# KiCad board fpgaboard.kicad_pcb (continued)
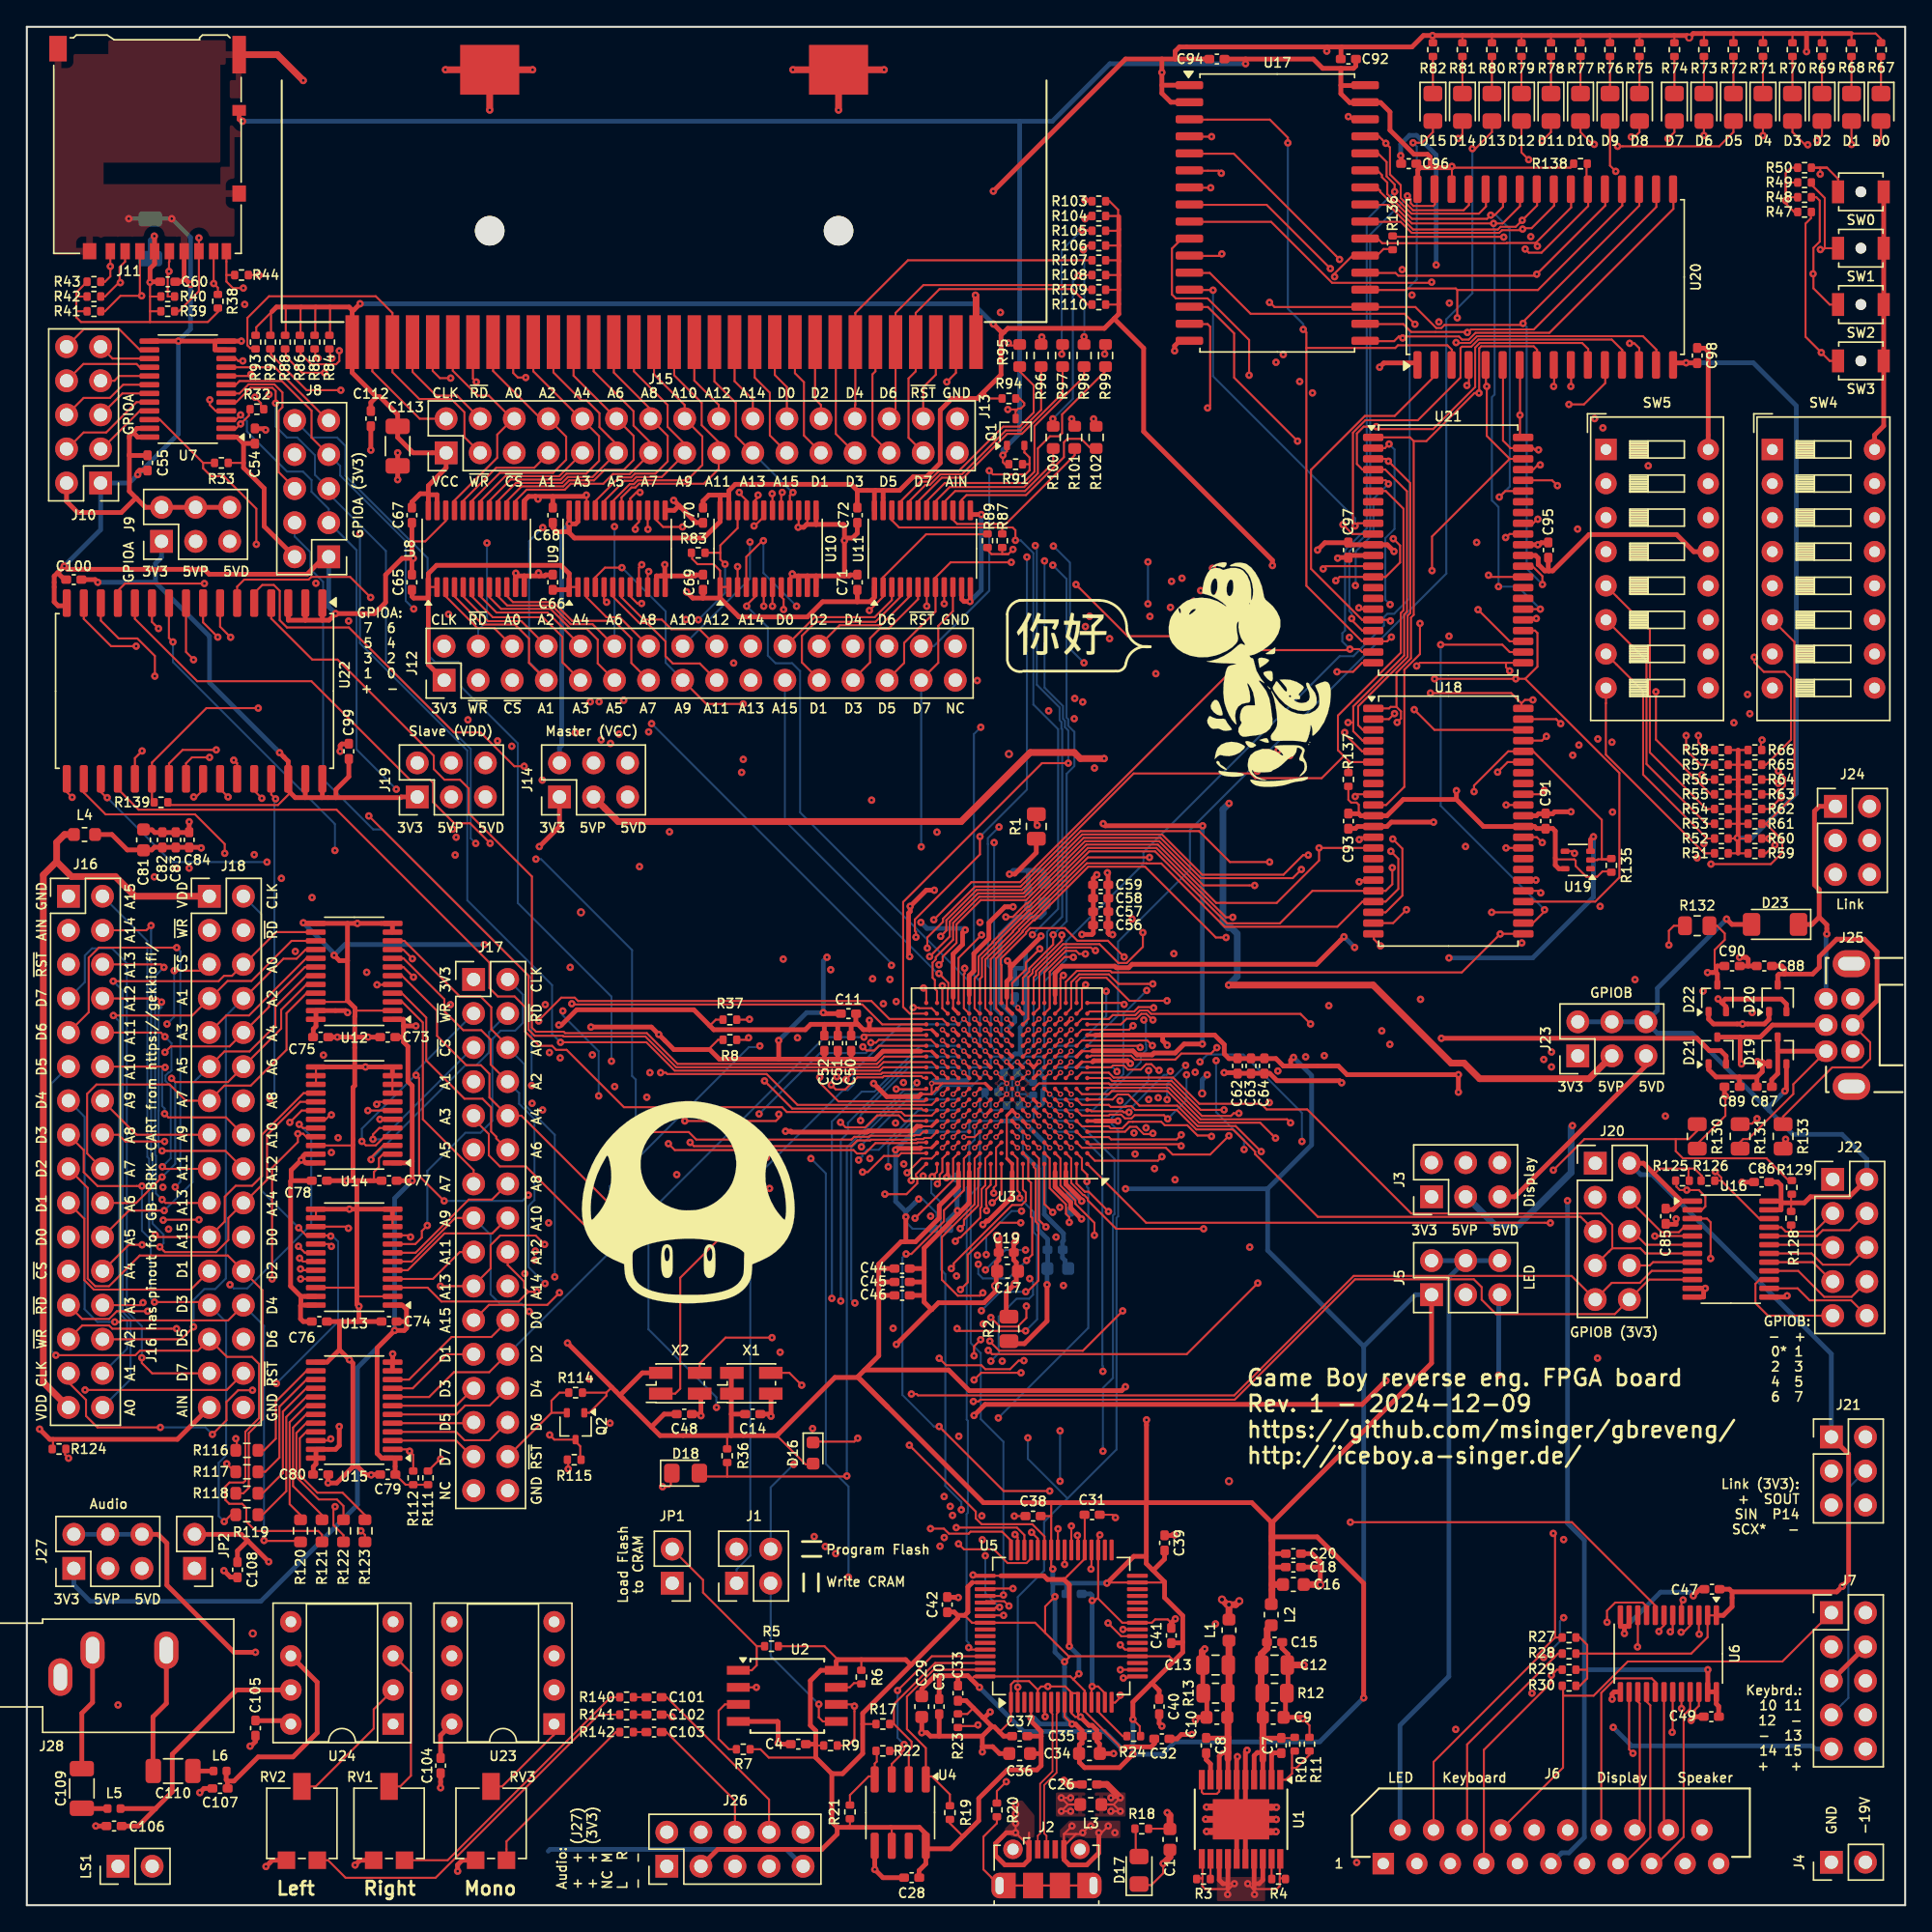
[diagram p0: board, top side]
## Routing (per net, layer and track width the routed paths; a pad name or vN(x,y) marks a point on that pad's centre or on a via; arc(x,y) is an arc through that point) (continued)
  Bottom w0.15: v1(76.49,72.33) 77.5,73.34 77.5,84.33 78.08,84.9 78.08,87.45 77.62,87.91 77.62,88.39 77.49,88.51 77.49,98.85 v1(76.47,99.88) ; v1(43.8,102.75) J12.12
/MA7: length 171.5
  Top w0.15: U3.L9 v3(72.24,63.65) ; J12.13 45.06,92.58 45.06,94.43 43.76,95.73 40.64,95.73 39.24,97.12 36.23,97.12 35.78,97.58 35.78,98.25 ; 110.52,107.8 108.82,109.51 v1(108.82,113.2) 108.75,113.26 108.75,114.95 ; 110.52,107.8 104.74,102.01 v1(104.74,99.47) ; 110.52,107.8 111.4,107.8 ; v1(103.41,89.11) 104.92,87.6 111.4,87.6 ; 87.05,130.55 89.96,130.55 v1(97.84,122.66)
  In1.Cu w0.15: v1(76.16,89.02) 76.16,84.06 v1(72.46,80.36) ; v1(53.28,84.43) 53.21,84.43 J12.13 ; v1(104.74,99.47) 104.74,92.5 103.41,91.17 v1(103.41,89.11)
  In2.Cu w0.15: v1(103.41,89.11) 103.13,89.39 79.66,89.39 79.49,89.21 76.74,89.21 76.55,89.02 v1(76.16,89.02) ; v1(72.46,80.36) 68.39,84.43 v1(53.28,84.43) ; v1(108.82,113.2) 108.82,117.27 106.16,119.92 105.07,119.92 103.23,121.76 103.23,121.84 102.4,122.66 v1(97.84,122.66)
  Bottom w0.15: v1(72.46,80.36) 71.63,79.53 71.63,79.09 71.64,79.08 71.64,70 71.84,69.8 71.84,64.05 v3(72.24,63.65)
/MA8: length 175.4
  Top w0.15: U3.T6 75.04,69.15 75.22,69.33 75.22,69.61 77.23,71.63 79.95,71.63 81.35,70.23 81.98,70.23 83.18,71.43 v1(83.18,72.49) ; 110.03,127.65 110.03,126.59 109.4,125.96 v1(109.11,125.96) 108.84,125.69 103.24,125.69 101.4,127.53 101.4,128.4 101,128.8 101,128.95 100.68,129.28 99.75,129.28 ; v1(109.63,84.45) 110.37,85.2 111.4,85.2 ; 41.72,98.25 41.72,97.48 43.2,96 44.18,96 J12.14 ; v1(109.75,104.95) 110.19,105.4 111.4,105.4
  In1.Cu w0.15: v1(49.12,95.82) 48.32,95.82 J12.14 ; v1(83.18,72.49) 83.18,72.88 83.22,72.92 83.22,79 83.23,79 83.23,94.72 v1(85.24,96.73) ; v1(109.63,84.45) 109.19,84.88 109.19,98.53 109.75,99.08 v1(109.75,104.95)
  In2.Cu w0.15: v1(49.12,95.82) 50.81,97.51 63.43,97.51 63.66,97.74 70.41,97.74 71.43,96.72 78.92,96.72 79.14,96.94 82.97,96.94 83.38,96.54 84.66,96.54 84.85,96.73 v1(85.24,96.73) 85.63,96.73 85.68,96.67 88.54,96.67 96.82,104.95 v1(109.75,104.95)
  Bottom w0.15: v1(109.75,104.95) 110.53,105.73 110.53,124.94 109.5,125.96 v1(109.11,125.96)
/MA9: length 181.3
  Top w0.15: 99.75,128 100.65,128 100.87,127.79 100.87,127.71 103.23,125.35 v1(109.32,125.35) 110,125.35 111.29,126.64 111.29,127.65 ; v1(44.35,99.69) 43.09,99.69 42.38,98.98 42.38,98.25 ; U3.P8 v3(73.04,66.05) ; v1(53.4,89.53) 50.65,89.53 J12.15 ; 111.4,96.6 v1(112.81,96.6) ; 111.4,76.4 v1(112.48,76.4)
  In1.Cu w0.15: v1(112.48,76.4) 112.19,76.69 112.19,88.76 112.96,89.53 112.96,96.45 v1(112.81,96.6) ; v3(73.04,66.05) 73.04,66.34 72.89,66.49 72.89,69.1 70.5,71.49 70.5,74 68.3,76.2 66.73,76.2 v1(53.4,89.53)
  In2.Cu w0.15: v1(53.4,89.53) 53.76,89.17 62.6,89.17 62.68,89.26 70.88,89.26 72.02,90.4 79.37,90.4 79.55,90.22 102.79,90.22 108.62,96.04 108.62,97.2 v1(109.69,98.28)
  Bottom w0.15: v1(109.32,125.35) 109.32,124.96 109.4,124.88 109.4,112.6 109.2,112.4 109.2,104.7 109.69,104.21 v1(109.69,98.28) 111.13,98.28 v1(112.81,96.6) ; v1(44.35,99.69) 47.61,96.43 47.61,92.6 48.88,91.34 J12.15
/MA10: length 196.4
  Top w0.15: 111.4,75.6 112.69,75.6 v1(112.84,75.45) ; U3.T5 75.84,69.52 77.44,71.13 78.21,71.13 78.44,70.9 v1(78.9,70.9) ; v1(112.51,95.9) 112.41,95.8 111.4,95.8 ; 112.46,123.89 110.31,123.89 110.29,123.87 101.02,123.87 100.7,124.19 99.75,124.19 ; 112.46,123.89 115.1,126.54 115.1,127.65 ; 112.46,123.89 112.46,123.78 v1(112.59,123.65) ; v1(43.21,97.11) 43.03,97.3 43.03,98.25
  In1.Cu w0.15: v1(78.79,92.6) 79.15,92.24 79.15,89.46 79.1,89.41 79.1,77.18 79.15,77.13 79.15,71.28 78.9,71.03 v1(78.9,70.9) ; v1(112.59,123.65) 111.97,123.03 111.97,109.26 111.72,109 111.72,96.69 v1(112.51,95.9) 112.71,95.7 112.71,89.64 111.93,88.86 111.93,75.96 112.17,75.72 112.57,75.72 v1(112.84,75.45)
  In2.Cu w0.15: v1(112.59,123.65) 112.32,123.38 112.32,123.32 111.98,122.99 111.46,122.99 111.28,123.17 97.71,123.17 76.95,102.41 76.95,101.73 v1(76.51,101.3) 76.24,101.02 75.93,101.02 74.49,99.59 73.16,99.59 71.54,101.21 54.29,101.21 v1(53.9,101.6) ; J12.16 48.03,94.69 47.63,94.69 46.66,95.66 44.67,95.66 v1(43.21,97.11)
  Bottom w0.15: v1(78.79,92.6) 77.74,93.65 77.74,100.07 v1(76.51,101.3) ; v1(53.9,101.6) 53.9,98.87 48.88,93.85 J12.16
/MA11: length 184.5
  Top w0.15: 99.75,126.73 101.49,126.73 103.33,124.9 109.64,124.9 109.84,125.1 110.97,125.1 v1(111.45,125.58) 112.56,126.69 112.56,127.65 ; 111.68,91.4 112.59,92.31 112.59,94.82 112.41,95 111.4,95 ; 111.68,91.4 118.7,84.39 118.7,76.6 116.9,74.8 111.4,74.8 ; 111.68,91.4 v1(110.98,91.4) v1(104.92,91.4) ; 43.67,98.25 43.67,97.54 45.65,95.57 46.22,95.57 47.6,94.19 47.6,93.09 48.15,92.55 50.16,92.55 51.41,91.3 J12.17 ; U3.M8 v3(73.04,64.45)
  In1.Cu w0.15: v1(111.45,125.58) 110.59,124.71 110.59,110.77 110.92,110.43 110.92,94.47 110.98,94.42 v1(110.98,91.4) ; v1(72.1,79.2) 76.6,83.7 76.6,88.44 v1(78.1,89.94)
  In2.Cu w0.15: v1(104.92,91.4) 103.48,89.96 79.44,89.96 79.26,90.14 78.3,90.14 v1(78.1,89.94) 71.93,89.94 70.99,89.01 62.79,89.01 62.7,88.92 52.6,88.92 51.42,90.1 J12.17
  Bottom w0.15: v3(73.04,64.45) 72.64,64.85 72.64,66.24 72.1,66.79 v1(72.1,79.2)
/MA12: length 194.6
  Top w0.15: 111.4,94.2 110.52,94.2 v1(108.16,96.56) ; v3(75.44,66.05) U3.P6 ; J12.18 51.39,93.84 50.13,95.1 48.04,95.1 47.32,95.82 45.97,95.82 44.33,97.47 44.33,98.25 ; 107.49,114.95 107.49,113.42 v1(107.33,113.27) ; 87.05,131.81 v1(88.3,131.81) ; 111.4,74 v1(109.18,74)
  In1.Cu w0.15: v1(88.3,131.81) 93.65,126.47 v1(93.65,115.57) ; v1(109.18,74) 108.33,74.85 108.33,96.39 v1(108.16,96.56) 107.49,97.24 107.49,113.12 v1(107.33,113.27) ; J12.18 52.2,93.84 53.47,92.57 54.16,92.57 55.2,91.52 55.2,89.47 67.88,76.79 68.58,76.79 69.41,75.96 69.47,75.96 71.97,73.47 71.97,73.17 72.54,72.6 72.54,71.94 73.79,70.69 73.79,70.39 75.44,68.74 v3(75.44,66.05)
  In2.Cu w0.15: v1(108.16,96.56) 108.16,95.94 102.69,90.47 79.65,90.47 79.47,90.65 71.92,90.65 70.78,89.51 62.58,89.51 62.49,89.42 54.14,89.42 52.69,90.88 52.69,91.78 51.42,93.05 J12.18 ; v1(93.65,115.57) 95.4,113.81 106.79,113.81 v1(107.33,113.27)
/MA13: length 129.5
  Top w0.15: U3.N7 v3(74.64,65.25) ; 111.4,93.4 110.52,93.4 109.97,93.95 v1(105.38,93.95) ; v1(113.12,74.19) 113.12,74.07 112.25,73.2 111.4,73.2 ; v1(56.41,96.57) 56.41,97.34 56.22,97.52 56.22,98.25
  In1.Cu w0.15: v3(74.64,65.25) 74.64,69.19 73.54,70.29 73.54,70.58 72.29,71.83 72.29,72.49 71.72,73.07 71.72,73.29 68.47,76.54 67.52,76.54 53.96,90.1 J12.19
  In2.Cu w0.15: v1(105.38,93.95) 105.38,93.51 102.59,90.72 79.75,90.72 79.56,90.92 71.83,90.92 70.68,89.76 62.48,89.76 62.39,89.68 55.63,89.68 53.96,91.34 ; v1(56.41,96.57) 55.05,95.21 55.05,92.43 53.96,91.34
  Bottom w0.15: v1(105.38,93.95) 105.38,81.94 v1(113.12,74.19)
/MA14: length 177.9
  Top w0.15: 99.75,133.09 98.77,133.09 98.55,133.31 v1(98.5,133.31) ; v1(110.52,92) 110.25,92.27 110.25,92.58 110.27,92.6 ; v1(103.59,92.36) 103.83,92.6 110.27,92.6 ; U3.T3 77.44,68.82 78.26,69.64 80.75,69.64 80.86,69.52 106.96,69.52 v1(109.82,72.39) 109.83,72.4 111.4,72.4 ; v1(55.58,96.82) 55.58,96.82 55.58,98.25 ; 111.4,92.6 110.27,92.6
  In1.Cu w0.15: v1(98.5,133.31) 98.5,125.92 v1(102.51,121.9) ; v1(55.58,96.82) 55.09,97.31 54.77,97.31 54.47,97.01 54.47,95.38 53.96,94.87 J12.20 ; v1(106.03,119.41) 106.42,119.41 110.34,115.5 110.34,110.66 110.67,110.33 110.67,92.53 110.52,92.38 v1(110.52,92) 110.52,90.85 110.74,90.63 110.74,73.31 v1(109.82,72.39)
  In2.Cu w0.15: v1(55.58,96.82) 55.85,97.09 56.59,97.09 56.89,96.79 56.89,96.41 55.38,94.9 55.38,92.98 55.79,92.57 57.05,92.57 57.69,91.93 57.69,90.87 58.63,89.93 62.29,89.93 62.37,90.01 70.57,90.01 71.73,91.17 79.66,91.17 79.86,90.97 102.2,90.97 v1(103.59,92.36) ; v1(102.51,121.9) 105,119.41 v1(106.03,119.41)
/MA15: length 36.8
  Top w0.15: v1(54.92,96.82) 54.92,97.52 54.92,97.52 54.92,98.25 ; v1(67.99,69.44) 68.69,68.74 68.69,68.29 68.64,68.24 U3.T14
  In1.Cu w0.15: v1(54.92,96.82) 55.21,96.53 55.21,92.65 56.5,91.37 J12.21
  Bottom w0.15: v1(67.99,69.44) 67.98,69.44 67.89,69.44 56.5,80.83 J12.21
/MCLK: length 67.7
  Top w0.15: v1(45.82,97.02) 45.51,97.02 44.97,97.55 44.97,98.25 ; U3.K9 v3(72.24,62.85)
  In1.Cu w0.15: v3(72.24,62.85) 72.64,63.25 72.64,68.8 69.45,71.99 69.45,72.52 69.29,72.67 69.29,73.12 67.67,74.75 66.92,74.75 52.68,88.99 v1(52.68,92.58) ; v1(31.43,96.22) 31.82,96.6 45.4,96.6 v1(45.82,97.02)
  In2.Cu w0.15: v1(52.68,92.58) 52.68,94.07 51.63,95.11 47.73,95.11 v1(45.82,97.02) ; J12.2 31.1,95.88 v1(31.43,96.22)
/MD0: length 164.5
  Top w0.15: U21.9 99.2,103 v1(99,102.8) 98.84,102.96 98.84,109.75 99.76,110.68 103.68,110.68 106.86,113.86 106.86,116.06 106.96,116.16 107.66,116.16 108.19,116.69 118.13,116.69 118.91,115.91 118.91,114.95 ; v1(83.92,68.67) 81.36,68.67 80.65,69.38 78.43,69.38 77.84,68.79 77.84,66.85 U3.R3 ; J12.22 56.57,93.84 58.73,96 63.2,96 64.47,97.28 64.47,98.25 ; 100.4,82.8 99.18,82.8 v1(99.01,82.63) ; 87.05,120.38 88.4,120.38 v1(88.41,120.37)
  In1.Cu w0.15: v1(98.58,94.49) 99.43,93.64 99.43,83.06 v1(99.01,82.63)
  In2.Cu w0.15: 96.92,96.64 93.33,93.05 78.61,93.05 78.24,92.68 63.36,92.68 63.16,92.48 57.86,92.48 J12.22 ; 96.92,96.64 97.07,96.79 97.07,100.57 99,102.49 v1(99,102.8) ; 96.92,96.64 96.67,96.39 v1(98.58,94.49) ; v1(83.92,68.67) 89.96,74.7 90.94,74.7 92.19,75.95 92.19,76.3 98.53,82.63 v1(99.01,82.63)
  Bottom w0.15: v1(99,102.8) 99,103.37 88.41,113.96 v1(88.41,120.37)
/MD1: length 172.4
  Top w0.15: J12.23 59.04,91.36 57.77,92.63 57.77,94.61 58.81,95.65 63.25,95.65 65.12,97.52 65.12,98.25 ; v1(94.71,109.12) 89.99,113.85 89.99,117.16 88.03,119.12 87.05,119.12 ; v1(98.1,102.9) 98.8,102.2 100.4,102.2 ; 120.19,114.95 120.19,116.05 119.82,116.41 v1(119.47,116.41) ; v1(103.84,95.53) 103.84,93.25 102.67,92.09 102.67,83.36 101.32,82 100.4,82 ; U3.P5 v3(76.24,66.05)
  In1.Cu w0.15: v1(98.1,102.9) 98.1,105.74 v1(94.71,109.12) ; v3(76.24,66.05) 76.24,68.66 74.3,70.6 74.3,70.9 73.05,72.15 73.05,72.82 72.47,73.39 72.47,73.71 59.04,87.14 J12.23
  In2.Cu w0.15: 102.63,100.83 102.63,95.73 ; 102.63,100.83 107.95,100.83 109.39,102.27 109.39,102.84 113.63,107.08 113.63,109.76 119.47,115.6 v1(119.47,116.41) ; 102.63,100.83 102.06,101.4 101.66,101.4 99.79,103.27 98.47,103.27 v1(98.1,102.9) ; 102.63,95.73 102.82,95.53 v1(103.84,95.53) ; 102.63,95.73 101.99,95.09 101.8,95.09 101.78,95.11 101.34,95.11 98.61,92.38 79.22,92.38 78.98,92.14 78.61,92.14 78.32,92.43 63.47,92.43 62.83,91.79 62.83,90.83 62.18,90.18 60.16,90.18 J12.23
/MD2: length 177.9
  Top w0.15: 100.4,99.8 96.82,99.8 v1(96.62,99.6) ; 121.46,114.95 121.46,115.94 120.45,116.94 108.08,116.94 107.58,116.44 106.56,116.44 v1(106.53,116.47) ; 65.78,98.25 65.78,97.52 63.65,95.4 63.47,95.4 63.47,95.4 60.58,95.4 59.04,93.86 J12.24 ; U3.T2 78.24,68.83 78.53,69.12 80.47,69.12 82.18,67.41 v1(84.99,67.41) ; v1(99.31,79.42) 99.49,79.6 100.4,79.6 ; 87.05,117.84 88.01,117.84 88.2,117.66 88.2,111.78 v1(88.01,111.59)
  In1.Cu w0.15: v1(85.48,95.65) 84.99,95.15 v1(84.99,67.41) ; v1(88.01,111.59) 79.21,102.8 v1(79.21,96.06)
  In2.Cu w0.15: v1(99.31,79.42) 96.03,79.42 92.77,76.16 92.77,75.67 90.28,73.18 89.6,73.18 84.99,68.56 v1(84.99,67.41) ; J12.24 60.15,92.73 62.3,92.73 62.86,93.29 62.86,94.48 64.44,96.06 v1(79.21,96.06) 83.06,96.06 83.47,95.65 83.52,95.61 83.75,95.38 85.21,95.38 v1(85.48,95.65) 92.67,95.65 v1(96.62,99.6) ; v1(88.01,111.59) 88.01,111.98 92.2,116.18 105.84,116.18 106.14,116.47 v1(106.53,116.47)
/MD3: length 150.7
  Top w0.15: v1(97.56,98.72) 97.84,99 101.28,99 102.35,100.08 102.35,101.34 v1(101.85,101.85) ; 99.75,116.58 101.91,116.58 102.26,116.92 102.48,116.92 ; 100.4,78.8 v1(96.31,78.8) 96.31,77.86 93.16,74.7 88.65,74.7 84.3,79.05 78.97,79.05 74.59,74.66 74.49,74.66 73.48,73.65 v1(72.97,73.65) ; 66.42,98.25 66.42,97.34 64.24,95.15 63.58,95.15 62.85,94.42 62.85,92.63 61.58,91.36 J12.25 ; 122.72,127.65 122.72,126.43 113.48,117.19 107.98,117.19 107.47,116.69 106.98,116.69 106.74,116.92 102.48,116.92 ; U3.N5 v3(76.24,65.25) ; 102.48,116.92 102.55,116.85 v1(102.55,116.81)
  In1.Cu w0.15: v1(101.85,101.85) 101.03,102.66 101.03,113.4 102.55,114.91 v1(102.55,116.81) ; J12.25 61.58,85.04 v1(72.97,73.65) 73.35,73.27 73.35,72.2 74.55,71 74.55,70.7 76.64,68.61 76.64,65.65 v3(76.24,65.25) ; v1(96.31,78.8) 93.49,81.63 93.49,85.63 93.72,85.86 93.72,94.88 v1(97.56,98.72)
/MD4: length 156.7
  Top w0.15: v1(78.91,68.6) 78.64,68.33 78.64,66.85 U3.R2 ; 107.45,117.26 107.41,117.22 v1(107.37,117.22) ; 107.45,117.26 107.63,117.45 112.32,117.45 121.46,126.58 121.46,127.65 ; 107.45,117.26 103.19,117.26 102.6,117.84 99.75,117.84 ; 111.4,99 109.07,99 108.94,99.12 v1(108.94,99.13) ; 67.08,98.25 v1(67.08,96.82) ; 111.4,78.8 v1(110.25,78.8)
  In1.Cu w0.15: v1(107.37,117.22) 107.94,116.65 107.94,113.38 107.78,113.23 107.78,101.85 v1(108.06,101.57) 108.06,100.01 v1(108.94,99.13) 108.94,80.11 v1(110.25,78.8) ; v1(83.71,96.06) 82.98,95.33 82.98,79.11 82.97,79.1 82.97,73.05 82.42,72.49 82.42,70.67 80.35,68.6 v1(78.91,68.6)
  In2.Cu w0.15: v1(108.06,101.57) 106.05,103.58 97.81,103.58 90.5,96.28 83.68,96.28 ; 83.68,96.28 83.68,96.09 v1(83.71,96.06) ; 83.68,96.28 83.28,96.28 82.87,96.69 79.24,96.69 79.02,96.47 78.95,96.47 78.92,96.44 72.07,96.44 71.81,96.47 67.42,96.47 v1(67.08,96.82) 64.59,96.82 61.61,93.84 J12.26
/MD5: length 151.3
  Top w0.15: v1(73.37,100.09) 68.86,100.09 67.72,98.96 67.72,96.42 65.39,94.08 65.39,92.59 64.12,91.32 J12.27 ; 111.44,117.78 105.66,117.78 105.43,117.55 105.06,117.55 103.49,119.12 93,119.12 92.66,119.46 v1(92.62,119.46) ; 111.44,117.78 111.44,117.93 120.19,126.67 120.19,127.65 ; 111.44,117.78 111.52,117.85 v1(111.52,117.9) ; v1(112.96,98.44) 112.96,99.06 112.22,99.8 111.4,99.8 ; v1(112.95,79.2) 112.55,79.6 111.4,79.6 ; U3.P4 v3(77.04,66.05)
  In1.Cu w0.15: v3(77.04,66.05) 77.04,68.57 74.8,70.81 74.8,71.1 73.89,72.01 73.89,73.37 73.05,74.21 72.96,74.21 64.12,83.05 J12.27 ; v1(112.95,79.2) 112.46,79.69 112.46,88.68 113.28,89.5 113.28,98.12 v1(112.96,98.44)
  In2.Cu w0.15: v1(92.62,119.46) 73.37,100.21 v1(73.37,100.09)
  Bottom w0.15: v1(111.52,117.9) 111.79,117.62 111.79,99.61 v1(112.96,98.44)
/MD6: length 151.8
  Top w0.15: 99.75,120.38 102.82,120.38 102.93,120.5 106.5,120.5 106.62,120.38 ; v1(81.78,67.14) 81.67,67.25 U3.T1 ; 68.38,98.25 v1(68.38,97) ; 111.4,102.2 110.52,102.2 110.26,101.94 v1(110.22,101.94) ; 111.4,82 v1(110.26,82) ; 118.91,127.65 118.91,126.67 112.63,120.38 106.62,120.38 ; 106.62,120.38 v1(106.62,118.31)
  In1.Cu w0.15: v1(84.15,91.79) 84.15,69.55 82.06,67.46 82.06,67.41 v1(81.78,67.14) ; J12.28 64.15,93.84 65.32,95 67.16,95 67.23,94.93 ; v1(110.26,82) 110.26,84.57 110.06,84.77 110.06,97.5 110.22,97.66 v1(110.22,101.94) 110.22,105.12 110.08,105.26 110.08,115.31 107.08,118.31 v1(106.62,118.31) ; v1(70.84,91.28) 70.84,91.45 69.66,92.63 68.5,92.63 67.82,93.31 67.82,94.34 67.23,94.93 ; 67.23,94.93 68.38,96.07 v1(68.38,97)
  In2.Cu w0.15: v1(70.84,91.28) 71.45,91.88 84.06,91.88 v1(84.15,91.79) 84.46,91.48 100.45,91.48 104.29,95.32 104.29,96 v1(110.22,101.94)
/MD7: length 155
  Top w0.15: 69.03,98.25 69.03,96.44 67.93,95.35 67.93,92.6 66.66,91.33 J12.29 ; 99.75,121.66 102.02,121.66 102.22,121.45 112.42,121.45 v1(112.54,121.56) 117.65,126.67 117.65,127.65 ; U3.N6 v3(75.44,65.25) ; v1(112.62,103.3) 112.58,103.3 112.28,103 111.4,103 ; 111.4,82.8 112.8,82.8 v1(113.1,83.1)
  In1.Cu w0.15: v3(75.44,65.25) 75.84,65.65 75.84,68.7 74.05,70.49 74.05,70.79 72.8,72.04 72.8,72.7 72.22,73.27 72.22,73.57 69.58,76.21 69.51,76.21 67.12,78.61 66.93,78.61 v1(66.66,78.88) ; v1(113.1,83.1) 112.76,83.44 112.76,88.33 113.53,89.1 113.53,102.39 v1(112.62,103.3) 111.97,103.95 111.97,108.9 112.71,109.64 112.71,121.39 v1(112.54,121.56)
  In2.Cu w0.15: J12.29 67.69,90.27 70.47,90.27 71.62,91.42 79.77,91.42 79.96,91.22 100.55,91.22 104.54,95.21 104.54,95.47 112.37,103.3 v1(112.62,103.3)
  Bottom w0.15: J12.29 v1(66.66,78.88)
/MDIR: length 47.8
  Top w0.15: U3.T13 69.44,70.6 v1(71.16,72.31) ; 71.6,102.25 71.53,102.18 67.02,102.18 63.83,98.98 63.83,97.53 v1(62.8,96.5)
  In1.Cu w0.15: v1(67.83,79.98) 65.39,82.42 65.39,91.92 64.65,92.66 63.53,92.66 62.86,93.33 62.86,96.44 v1(62.8,96.5)
  In2.Cu w0.15: v1(71.16,72.31) 68.47,75 67.02,75 66.79,75.23 66.79,75.87 67.83,76.91 v1(67.83,79.98)
/Memory/~{EA20}: length 31.8
  Top w0.15: 111.4,106.2 113.69,106.2 v1(114.08,105.8) ; v1(115.35,78.4) 115.3,78.4 115.15,78.55 U19.4
  In1.Cu w0.15: v1(115.35,78.4) 113.73,80.03 113.73,88.55 114.08,88.9 v1(114.08,105.8)
/P14: length 232.7
  Top w0.15: 45.62,98.25 45.62,99.7 v1(45.83,99.91) ; v1(87.71,50.41) 81.2,50.41 79.08,52.54 79.08,52.66 78.81,52.92 78.75,52.92 77.84,53.83 77.84,55.65 U3.B3
  In1.Cu w0.15: v1(96.7,63.32) 97.51,64.12 97.51,67.24 88.86,75.89 v1(88.86,97.74)
  In2.Cu w0.15: J21.4 135.78,33.62 132.73,33.62 122.74,43.61 95.28,43.61 88.47,50.41 v1(87.71,50.41) 83.31,54.82 83.31,55.98 83.7,56.38 83.96,56.38 85.53,57.95 86.31,57.95 87.46,56.8 88.5,56.8 89.12,57.42 89.12,57.55 89.71,58.13 91.91,58.13 96.7,62.93 v1(96.7,63.32) ; J7.7 134.5,13.78 125.21,4.48 107.48,4.48 J6.5 ; v1(45.83,99.91) 46.89,99.91 47.34,99.46 49.42,99.46 50.1,98.77 62.9,98.77 63.14,99 70.93,99 71.95,97.98 78.4,97.98 78.62,98.2 86.73,98.2 86.98,98.45 88.15,98.45 v1(88.86,97.74)
  Bottom w0.15: J7.7 135.76,15.44 135.76,31.08 J21.4
/P14_5V: length 120.2
  Top w0.15: v1(131.09,57.09) 131.09,57.07 130.9,56.88 130.9,56.35 ; 46.28,103.95 46.28,102.57 v1(46.29,102.55)
  In1.Cu w0.15: v1(88.95,99.13) 92.16,95.92 92.16,77.55 101.59,68.13 v1(101.59,64.16)
  In2.Cu w0.15: v1(101.59,64.16) 113.73,64.16 114.15,63.74 114.15,62.76 117.18,59.72 128.84,59.72 131.09,57.47 v1(131.09,57.09) ; v1(46.29,102.55) 46.61,102.24 51.52,102.24 53.3,100.45 71.23,100.45 72.84,98.84 76.82,98.84 77.38,99.39 87.18,99.39 87.44,99.13 v1(88.95,99.13)
/Power, USB, SPI/EECLK: length 14.4
  Top w0.15: 71.4,18.05 67.7,18.05 64.63,14.98 64.63,13.5 ; 64.25,13.5 64.63,13.5 ; 64.63,13.5 65.94,12.19 65.94,11.74 65.73,11.53 65.73,9.6
/Power, USB, SPI/EECS: length 16.4
  Top w0.15: 71.4,17.55 67.59,17.55 65.6,15.55 65.6,13.12 67,11.71 67,9.6 67.45,9.6 68.8,8.25 68.8,7.35
/Power, USB, SPI/EEDATA: length 15.6
  Top w0.15: 65.2,11.5 65.2,11.26 64.47,10.53 64.47,9.6 ; 65.2,11.5 64.25,11.5 ; 65.2,11.5 65.3,11.5 65.39,11.59 v1(65.39,11.98) ; 71.4,18.55 67.45,18.55 v1(64.9,16)
  Bottom w0.15: v1(64.9,16) 64.9,12.47 v1(65.39,11.98)
/Power, USB, SPI/MISO: length 41.5
  Top w0.15: 82.8,17.55 81.51,17.55 v1(81.5,17.54) ; 53.03,16.24 54.37,16.24 v1(54.38,16.24)
  In1.Cu w0.15: v1(54.38,16.24) 54.38,16.25 54.16,16.46 54.16,25.28 J1.2
  In2.Cu w0.15: v1(81.5,17.54) 81.23,17.82 77.83,17.82 77.64,17.63 55.77,17.63 v1(54.38,16.24)
/Power, USB, SPI/MOSI: length 37.5
  Top w0.15: v1(81.72,16.93) 82,16.93 82.12,17.05 82.8,17.05 ; v1(59.03,14.98) 59.03,14 59.33,13.69 U2.5
  In2.Cu w0.15: v1(59.03,14.98) 59.34,15.28 79.88,15.28 81.53,16.93 v1(81.72,16.93)
  Bottom w0.15: v1(59.03,14.98) 55.44,18.57 J1.3
/Power, USB, SPI/SCK: length 122.5
  Top w0.15: v1(81.5,15.65) 81.5,15.49 81.11,15.1 80.85,15.1 ; 60.35,11.9 61.2,11.9 61.68,12.38 v1(61.68,14.83) 61.55,14.97 U2.6 ; v1(89.88,73.63) 89.36,73.63 84.2,78.8 79.08,78.8 74.69,74.41 74.6,74.41 71.99,71.8 71.99,71.75 70.94,70.69 70.94,69.38 70.64,69.09 70.64,66.85 U3.R11
  In1.Cu w0.15: v1(89.88,73.63) 93.68,69.84 93.68,64.86 v1(95.31,63.23) ; v1(88.6,20.97) 88.6,32.35 92.6,36.36 v1(92.6,59.82)
  In2.Cu w0.15: v1(61.68,14.83) 61.77,14.92 80.77,14.92 v1(81.5,15.65) 83.28,15.65 v1(88.6,20.97) ; v1(92.6,59.82) 92.6,60.52 v1(95.31,63.23)
/Power, USB, SPI/SS: length 97.6
  Top w0.15: v1(69.9,69.83) 69.9,69.44 69.84,69.39 69.84,66.85 U3.R12 ; 82.8,19.05 81.85,19.05 v1(81.5,19.4)
  In1.Cu w0.15: v1(64.33,69) 64.33,63.31 64.07,63.05 64.07,60.82 63.69,60.45 63.69,55.13 63.69,55.13 63.69,53.9 63.42,53.62 63.42,40.38 v1(58.57,35.53)
  In2.Cu w0.15: v1(81.5,19.4) 81.12,19.78 53.27,19.78 49.04,24 ; v1(64.33,69) 64.72,69 64.74,68.99 69.05,68.99 v1(69.9,69.83) ; JP1.1 49.04,24 ; 49.04,24 49.04,26 v1(58.57,35.53)
/Power, USB, SPI/USB_D+: length 11.4
  Top w0.125: J2.3 76,5.18 75.83,5.35 75.83,8.95 76.75,9.87 76.75,14.25 76.85,14.35 76.85,15.1
/Power, USB, SPI/USB_D-: length 11.4
  Top w0.125: J2.2 75.35,5.18 75.52,5.35 75.52,9.05 76.45,9.97 76.45,14.25 76.35,14.35 76.35,15.1
/Power, USB, SPI/VPP_2V5: length 36.1
  Top w0.15: 58.6,34.55 61.68,34.55 v1(61.93,34.81) ; U3.E12 v3(69.84,58.05)
  In1.Cu w0.15: v3(69.84,58.05) 70.24,57.65 70.24,53.7 68.91,52.37 68.91,50.75 68.68,50.52 68.68,49.73 68.36,49.41 68.36,46.64 68.88,46.12 68.88,42.7 69.46,42.12 69.46,40.57 69.46,40.25 v1(69.46,34.95)
  In2.Cu w0.15: v1(61.93,34.81) 62.08,34.95 v1(69.46,34.95)
/PWM_L: length 75.7
  Top w0.15: v1(79.01,53.94) 79.04,53.96 79.04,54.45 78.64,54.85 78.64,55.65 U3.B2 ; v1(48.09,14.04) 47.88,14.04 47.73,14.2 47.25,14.2
  In1.Cu w0.15: 50.64,11.5 51.46,10.67 51.46,5.03 52.32,4.17 54.05,4.17 55.32,2.9 J26.7 ; 50.64,11.5 58.68,19.55 v1(58.68,27.47) ; 50.64,11.5 50.15,11.98 v1(48.09,14.04)
  In2.Cu w0.15: v1(72.41,36.32) 72.07,36.32 63.23,27.47 v1(58.68,27.47)
  Bottom w0.15: v1(79.01,53.94) 79.01,53.55 79.11,53.45 79.11,43.02 v1(72.41,36.32)
/PWM_M: length 86.6
  Top w0.15: J26.6 52.78,7.79 47.67,12.9 47.25,12.9 ; v3(76.24,58.85) U3.F5
  In1.Cu w0.15: J26.6 52.78,12.34 59.51,19.08 v1(59.51,26.74)
  In2.Cu w0.15: v1(59.51,26.74) 62.85,26.74 69.95,33.84 v1(80.21,33.84)
  Bottom w0.15: v1(80.21,33.84) 80.21,38.55 80.95,39.29 80.95,51.4 81.07,51.52 81.07,55.62 78.24,58.45 76.64,58.45 v3(76.24,58.85)
/PWM_R: length 83.8
  Top w0.15: J26.8 55.32,7.87 47.69,15.5 47.25,15.5 ; U3.E4 v3(77.04,58.05)
  In1.Cu w0.15: J26.8 55.32,12.24 60.28,17.21 v1(60.28,26.2) ; v1(77.01,35.36) 77.01,37.99 78.14,39.12 78.14,49.5 77.17,50.47 77.17,51.17 77.7,51.7 77.7,52.34 77.44,52.6 77.44,57.65 v3(77.04,58.05)
  In2.Cu w0.15: v1(60.28,26.2) 62.67,26.2 68.07,31.6 v1(77.01,31.6)
  Bottom w0.15: v1(77.01,35.36) v1(77.01,31.6)
/ROM_~{CS}: length 72.6
  Top w0.15: 98.16,85.65 98.61,85.2 ; 98.16,85.65 96.51,84 91.56,84 91.21,84.35 82.5,84.35 74.06,75.92 70.68,75.92 68.29,73.52 68.29,73.29 67.12,72.13 v1(67.12,71.33) ; 98.16,85.65 97.72,86.09 97.72,88.67 102.41,93.36 102.41,96.31 102.61,96.51 102.61,104.09 101.29,105.4 100.4,105.4 ; 98.61,85.2 98.5,85.09 98.5,84.35 ; 98.61,85.2 100.4,85.2 ; U3.N12 v3(69.84,65.25)
  In1.Cu w0.15: v3(69.84,65.25) 69.44,65.65 69.44,68.55 68.69,69.3 68.69,70.15 67.51,71.33 v1(67.12,71.33)
/SA0: length 78.5
  Top w0.15: J17.6 35.84,64.06 34.62,65.28 34.62,66.93 33.82,67.73 32.28,67.73 28.13,71.88 27.25,71.88 ; U3.A6 75.04,55.02 75.19,54.88 75.19,50.97 75.4,50.75 75.4,46.55 74.57,45.72 v1(74.45,45.72)
  In2.Cu w0.15: v1(39.35,46.83) 39.74,46.83 39.94,47.03 65.44,47.03 68.17,44.3 v1(71.15,44.3)
  Bottom w0.15: v1(71.15,44.3) 72.56,45.72 v1(74.45,45.72) ; J17.6 37.08,62.68 37.08,59.69 39.35,57.42 v1(39.35,46.83)
/SA1: length 95.9
  Top w0.15: 27.25,71.22 28.05,71.22 v1(28.74,70.54) ; v1(74.1,39.68) 71.13,39.68 v1(70.6,39.15) ; U3.D7 v3(74.64,57.25)
  In1.Cu w0.15: v1(70.6,39.15) 70.26,39.15 69.79,39.62 69.79,43.16 69.13,43.81 69.13,46.48 69.3,46.64 v1(69.3,46.9) ; v1(28.74,70.54) 29.61,69.67 29.61,68.49 28.46,67.34 28.46,65.24 32.32,61.38 J17.7 33.3,61.3 34.66,59.94 34.66,58.17 35.16,57.66 36.48,57.66 37.9,56.25 v1(37.9,48.76) ; v1(74.1,39.68) 74.28,39.68 75.05,40.45 75.05,43.21 73.71,44.55 73.71,44.96 73.96,45.21 74.66,45.21 75.25,45.8 75.25,48.13 74.94,48.44 74.94,49.32 74.99,49.37 74.99,52.25 75.05,52.31 75.05,54.19 75.04,54.2 75.04,56.85 v3(74.64,57.25)
  In2.Cu w0.15: v1(69.3,46.9) 69.38,46.98 69.38,47.67 69.1,47.95 67.5,47.95 65.96,49.49 65.11,49.49 64.38,48.76 46.91,48.76 v1(37.9,48.76)
/SA2: length 82.4
  Top w0.15: v1(74.5,44.65) 74.5,43.77 73.85,43.12 72.53,43.12 v1(71.85,43.8) ; J17.8 34.57,62.65 34.57,64.51 33.87,65.22 32.53,65.22 31.12,66.63 31.12,67.52 28.07,70.58 27.25,70.58 ; U3.C6 v3(75.44,56.45)
  In1.Cu w0.15: v3(75.44,56.45) 75.44,52.35 75.24,52.15 75.24,49.26 75.19,49.21 75.19,48.54 75.55,48.19 75.55,45.61 74.59,44.65 v1(74.5,44.65)
  In2.Cu w0.15: v1(38.62,46.33) 40.82,46.33 41.26,46.78 65.34,46.78 68.31,43.8 v1(71.85,43.8)
  Bottom w0.15: v1(38.62,46.33) 37.39,47.57 37.39,52.11 37.83,52.55 37.83,58.58 36.69,59.72 36.69,60.53 J17.8
/SA3: length 71.4
  Top w0.15: v1(28.82,69.17) 28.06,69.92 27.25,69.92 ; v1(75.95,50.56) 75.44,51.07 75.44,55.65 U3.B6 ; J17.9 33.3,58.61 34.43,57.47 34.43,55.89 35.26,55.07 37.2,55.07 v1(42.38,49.88)
  In1.Cu w0.15: v1(28.82,69.17) 28.18,68.53 28.18,63.96 J17.9
  In2.Cu w0.15: v1(75.95,50.56) 75.57,50.56 75.36,50.35 75.36,49.75 v1(74.44,48.83) ; v1(71.45,47.35) 71.26,47.16 70.86,47.16 70.44,47.58 70.44,47.75 69.41,48.78 68.16,48.78 66.7,50.25 64.65,50.25 64,49.6 47.1,49.6 47.09,49.61 42.66,49.61 v1(42.38,49.88)
  Bottom w0.15: v1(74.44,48.83) 72.93,48.83 v1(71.45,47.35)
/SA4: length 68.6
  Top w0.15: U3.B7 74.64,55.65 74.64,54.05 74.84,53.85 74.84,51.31 74.94,51.22 74.94,48.48 v1(74.51,48.05) ; v1(45.56,50.14) 36.87,58.84 J17.10 34.48,60.2 34.48,61.96 33.84,62.6 32.76,62.6 30.57,64.79 30.57,66.66 27.96,69.28 27.25,69.28
  In2.Cu w0.15: v1(70.92,47.77) 70.78,47.77 69.51,49.04 68.27,49.04 66.8,50.5 46.67,50.5 46.55,50.61 46.12,50.61 45.92,50.42 45.84,50.42 v1(45.56,50.14)
  Bottom w0.15: v1(70.92,47.77) 70.92,47.05 71.26,46.71 73.17,46.71 v1(74.51,48.05)
